# Allegro board BeagleV-FIRE_REV-A_230911.brd (continued)
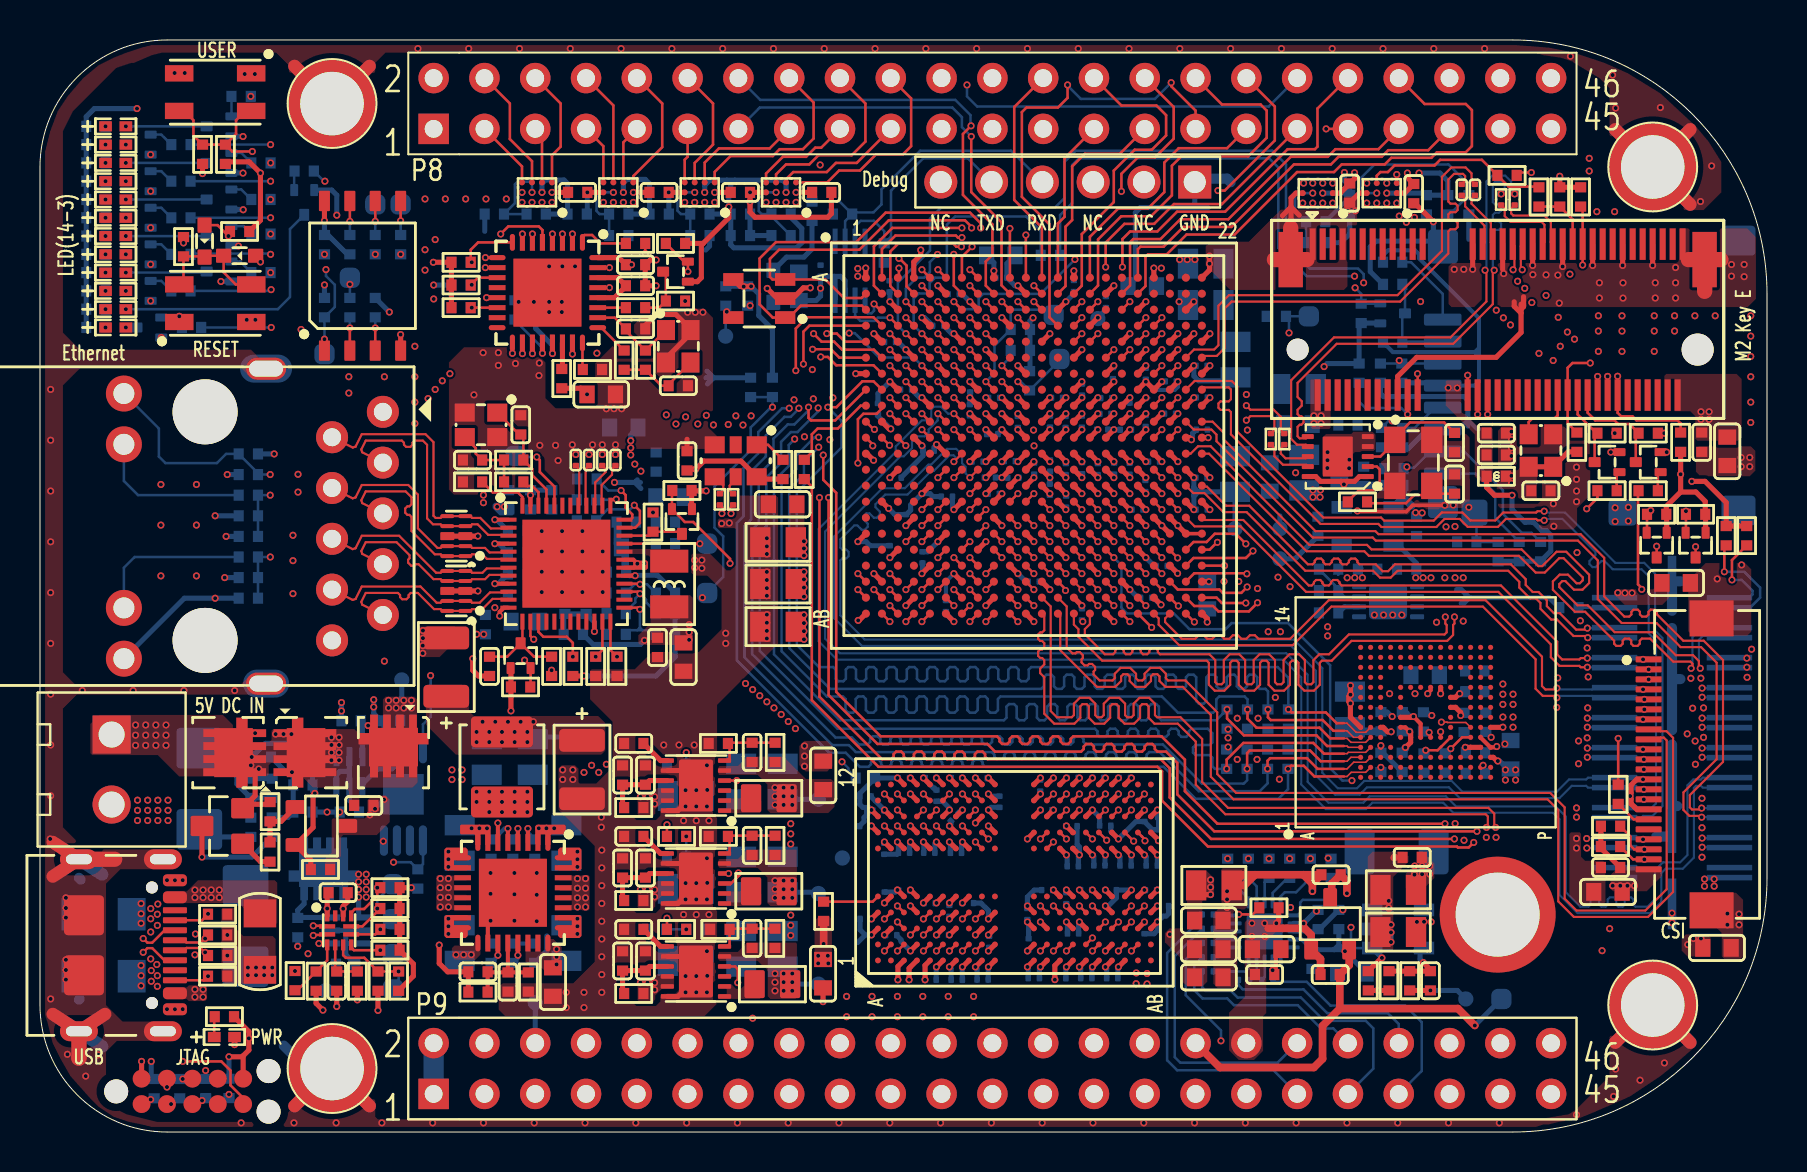
[diagram p0: board, top side]
## Routing (per net, layer and track width the routed paths; a pad name or vN(x,y) marks a point on that pad's centre or on a via; arc(x,y) is an arc through that point) (continued)
USB0_DATA2: length 32.2
  TOP w0.127: U8.5 25.12,45.11 24.94,45.29 23.42,45.29 v1(23.04,44.91) ; U1.G3 v1(42.5,38.32)
  L3_SIG1 w0.102: v1(42.5,38.32) 40.69,38.32 39.42,37.06 38.31,37.06 38.24,36.98 30.32,36.98 28,39.3 27.49,39.3 26.97,39.83 22.33,39.83 21.18,40.97 21.18,43.84 22.25,44.91 v1(23.04,44.91)
USB0_DATA3: length 24.7
  TOP w0.127: U8.6 v1(24.62,44.91) ; U1.F5 v1(44.1,39.12)
  L3_SIG1 w0.102: v1(24.62,44.91) 24.62,43.3 25.13,42.79 26.52,42.79 28.23,41.08 28.73,41.08 31.03,38.79 38.51,38.79 38.91,38.38 39.24,38.38 40.34,39.48 43.45,39.48 43.81,39.12 v1(44.1,39.12)
USB0_DATA4: length 23.1
  TOP w0.127: v1(38.18,38.41) 38.18,40.02 38.47,40.32 U1.D1 ; U8.7 v1(24.12,44.91)
  L3_SIG1 w0.102: v1(24.12,44.91) 24.12,43.14 24.82,42.44 26.37,42.44 28.08,40.73 28.58,40.73 30.88,38.43 37.94,38.43 37.97,38.41 v1(38.18,38.41)
USB0_DATA5: length 25.3
  TOP w0.127: v1(37.8,38.08) 37.8,40.18 38.35,40.74 41.68,40.74 U1.D2 ; U8.9 v1(22.27,43.73)
  L3_SIG1 w0.102: v1(22.27,43.73) 22.9,43.73 24.54,42.08 26.23,42.08 27.93,40.37 28.44,40.37 30.76,38.05 37.8,38.05 v1(37.8,38.08)
USB0_DATA6: length 28.9
  TOP w0.127: U8.10 v1(22.27,43.23) ; U1.F6 v1(44.9,39.12)
  L3_SIG1 w0.102: v1(44.9,39.12) 44.49,38.71 40.57,38.71 39.28,37.41 38.17,37.41 38.09,37.34 30.46,37.34 28.14,39.66 27.64,39.66 27.12,40.18 22.47,40.18 21.97,40.69 21.97,42.93 v1(22.27,43.23)
USB0_DATA7: length 24.1
  TOP w0.127: U1.F3 v1(42.5,39.12) ; U8.13 v1(22.33,41.72)
  L3_SIG1 w0.102: v1(42.5,39.12) 40.48,39.12 39.13,37.77 38.02,37.77 37.94,37.69 30.61,37.69 28.29,40.02 27.79,40.02 27.26,40.54 22.62,40.54 22.33,40.83 v1(22.33,41.72)
USB0_DIR: length 16.7
  TOP w0.127: U1.F1 39.97,38.72 39.55,39.14 v1(38.63,39.14) ; U8.31 v1(28.47,43.23)
  L3_SIG1 w0.102: v1(28.47,43.23) 28.07,42.82 28.07,41.75 28.38,41.44 28.88,41.44 31.18,39.14 v1(38.63,39.14)
USB0_DM: length 48.7
  TOP w0.122: J5.B7 6.23,10.09 5.61,9.47 5.37,9.47 v1(5.16,9.68) ; J5.A7 7.21,9.09 7.33,9.2 8.02,9.2 D4.2 8.4,8.84 v1(8.26,8.99) ; U8.19 v1(24.62,38.93)
  L3_SIG1 w0.097: v1(5.16,9.68) 5.38,9.46 5.96,9.46 7.03,10.53 8.54,10.53 8.99,10.09 8.99,9.47 8.72,9.2 8.47,9.2 v1(8.26,8.99)
  L5_SIG2 w0.097: v1(8.26,8.99) 8.47,9.2 10.72,9.2 15.6,14.08 15.6,15.53 20.21,20.15 20.21,33.35 24.5,37.63 24.5,38.51 24.62,38.63 v1(24.62,38.93)
USB0_DP: length 48.5
  TOP w0.122: J5.B6 6.22,8.59 5.61,9.19 5.37,9.19 v1(5.16,8.99) ; D3.2 8.02,9.48 7.33,9.48 7.21,9.59 J5.A6 ; U8.18 v1(24.12,38.93)
  L3_SIG1 w0.097: v1(8.26,9.67) 8.47,9.45 8.62,9.45 8.74,9.57 8.74,9.98 8.44,10.28 7.14,10.28 6.76,9.9 6.76,9.76 6.99,9.53 6.99,9.4 6.86,9.27 6.71,9.27 6.48,9.49 6.35,9.49 6.06,9.21 5.38,9.21 v1(5.16,8.99)
  L5_SIG2 w0.097: v1(24.12,38.93) 24.12,38.63 24.25,38.51 24.25,37.74 23.89,37.38 23.64,37.38 23.49,37.23 23.49,36.98 23.34,36.83 23.09,36.83 22.94,36.69 22.94,36.43 22.8,36.29 22.54,36.29 22.4,36.14 22.4,35.89 19.96,33.45 19.96,20.25 15.35,15.64 15.35,14.18 10.62,9.45 8.47,9.45 v1(8.26,9.67)
USB0_ID: length 34.5
  TOP w0.127: U8.23 v1(26.63,38.91) ; v1(16.87,12.22) R54.2 16.87,12.07 16.87,11.81 16.21,11.15 15.75,11.15 15.56,10.96 U9.9
  L5_SIG2 w0.102: v1(26.63,38.91) 26.63,38.18 25.76,37.32 24.82,37.32 20.68,33.17 20.68,19.5 16.64,15.47 16.64,13.16 16.87,12.94 v1(16.87,12.22)
USB0_NXT: length 23.2
  TOP w0.127: U1.G5 v1(44.1,38.32) ; U8.2 v1(26.63,44.91)
  L3_SIG1 w0.102: v1(40.46,39.95) 39.78,40.63 31.95,40.63 31.85,40.74 31.85,44.12 31.5,44.48 29.06,44.48 28.63,44.91 v1(26.63,44.91)
  BOTTOM w0.127: v1(44.1,38.32) 43.69,38.73 41.96,38.73 40.74,39.95 v1(40.46,39.95)
USB0_OCN: length 57.5
  TOP w0.127: U1.D4 v1(43.3,40.72)
  L3_SIG1 w0.102: v1(35.64,22.12) 35.47,21.96 26.93,21.96 26.16,22.73 26.16,23.19 25.83,23.52 25.22,23.52 24.92,23.22 21.18,23.22 17.68,19.71 v1(17.68,13.49)
  L5_SIG2 w0.102: v1(35.64,22.12) 35.64,22.86 37.07,24.3 37.07,30.43 36.84,30.66 36.84,32.16 34.06,34.94 34.06,36.72 34.68,37.34 36.01,37.34 38.21,39.54 40.81,39.54 41.61,40.34 42.92,40.34 v1(43.3,40.72)
  BOTTOM w0.127: v1(17.68,13.49) 18.53,13.49 R55.2 19.15,13.4 U10.5
USB0_REFSEL0: length 2.9
  TOP w0.127: U8.8 21.91,44.49 21.54,44.12 R70.1 v1(21.59,43.49)
USB0_REFSEL1: length 1.5
  TOP w0.127: U8.11 21.91,42.73 R68.1
  vias: v1(21.59,42.37)
USB0_REFSEL2: length 1.3
  TOP w0.127: v1(21.59,41.22) U8.14
USB0_RESETB: length 48.7
  TOP w0.127: U1.Y19 56.11,27.11 v1(56.13,27.11) ; R213.2 32.21,43.52 Q28.2 v1(32.4,43.03)
  L5_SIG2 w0.102: v1(29.74,33.4) 29.44,33.4 29.16,33.68 29.16,35.46 29.54,35.84 29.54,37.04 31.85,39.35 31.85,42.48 v1(32.4,43.03)
  L10_SIG3 w0.102: v1(29.74,33.4) 30.3,33.96 36.37,33.96 37.34,32.99 41.73,32.99 42.64,33.91 45.01,33.91 45.39,34.29 49.14,34.29 49.55,34.7 49.87,34.7 50.07,34.49 55.35,34.49 55.68,34.16 55.68,27.8 56.13,27.36 v1(56.13,27.11)
USB0_STP: length 22.8
  TOP w0.127: U8.29 v1(28.47,42.22) ; U1.G4 v1(43.3,38.32)
  L3_SIG1 w0.102: v1(43.3,38.32) 42.9,37.92 42.29,37.92 41.33,36.96 40.91,36.96 39.64,35.7 37.33,35.7 37.03,35.99 37.03,36.4 36.8,36.63 30.17,36.63 v1(27.85,38.95)
  L5_SIG2 w0.102: v1(27.85,38.95) 27.85,41.6 v1(28.47,42.22)
USB0_VBUS: length 1.3
  TOP w0.254: R49.1 26.13,38.19 U8.22
USB0_XI: length 4.6
  TOP w0.127: X2.1 30.28,39.08 R52.1 29.3,40.06 C104.1 28.74,40.72 U8.26
USB0_XO: length 1.8
  TOP w0.127: R51.1 28.07,40.22 U8.25
USB_5V: length 41.9
  TOP w0.127: v1(27.36,36.89) 27.36,36.86
  TOP w0.254: 27.36,36.86 27.03,37.19 R49.2 ; R53.2 v1(15.87,6.61)
  L5_SIG2 w0.254: v1(27.36,36.89) 25,36.89 21.11,32.99 21.11,19.32 17.17,15.38 v1(17.17,14.54) 17.17,13.27 17.48,12.96 17.48,11.01 17.16,10.69 15.21,10.69 v1(13.95,9.43) 13.95,8.53 v1(15.87,6.61)
  BOTTOM w0.254: Q2.1 v1(13.95,9.43)
  vias: v1(7.75,12.1) v1(7.75,11.72) v1(7.75,7.13) v1(7.75,6.75) v1(8.15,12.1) v1(8.15,11.72) v1(8.15,7.13) v1(8.15,6.75) v1(8.56,12.1) v1(8.56,11.72) v1(8.97,12.1) v1(8.97,11.72)
USER_BOTTON: length 51.8
  TOP w0.127: SW2.2 10.27,51.06 9.8,50.6 9.8,49.91 R139.2 ; SW2.4 7.2,51.06 7.67,50.6 7.67,49.83 D9.2 R139.2 ; U1.J2 42.1,36.18 41.83,35.92 41.17,35.92 40.9,35.65 v1(40.9,33.45) ; v1(10.62,49.03) 9.61,49.03 R139.2
  L3_SIG1 w0.102: v1(40.9,33.45) 40.59,33.14 34.84,33.14 33.6,34.38 31.36,34.38 30.43,35.31 24.34,35.31 17.71,41.94 13.82,41.94 13.24,42.51 10.88,42.51 10.62,42.77 v1(10.62,49.03)
VIO_1V8: length 9.8
  TOP w0.254: R251.1 v1(69.53,7.08)
  L3_SIG1 w0.254: v1(69.53,7.08) 69.81,7.36 69.81,8.69 68.12,10.38 68.12,12.26 v1(68.73,12.87)
  BOTTOM w0.254: TP18.1 70.87,7.08 v1(69.53,7.08)
  vias: v1(68.74,13.3) v1(69.11,13.3) v1(69.11,12.9) v1(69.49,13.3) v1(69.49,12.9) v1(82.4,9.37) v1(82.68,9.68) v1(83.06,9.68) v1(83.24,12.65) v1(83.24,12.29) v1(83.72,12.65) v1(83.72,12.29)
VREF_XCVR: length 11.4
  TOP w0.254: v1(56.1,37.52) U1.H19 55.3,37.52 v1(55.3,37.52) U1.H18
  L3_SIG1 w0.102: v1(56.1,37.52) 56.46,37.16 59.66,37.16 v1(62.46,39.96)
  BOTTOM w0.127: v1(62.46,39.96) 62.46,40.64 R152.1 TP14.1
W_DISABLE1N: length 5.4
  TOP w0.127: Q7.3 79.8,34.81 R97.2 79.48,35.41 78.91,35.41 78.73,35.59 77.77,35.59 77.39,35.97 J9.56
W_DISABLE2N: length 3.8
  TOP w0.127: Q6.3 77.74,34.81 R96.2 77.83,34.95 76.89,35.89 J9.54
WARM_RST: length 58.4
  TOP w0.127: v1(9.42,44.81) 8.88,45.35 D15.1 ; U1.W12 v1(50.5,27.92)
  L3_SIG1 w0.102: v1(49.68,35.1) 49.28,35.5 44.72,35.5 44.5,35.28 44.5,34.82 44.4,34.72 43.9,34.72 43.65,34.47 43.65,34.18 43.42,33.95 41.54,33.95 41.3,33.71 41.3,33.17 40.91,32.78 34.69,32.78 33.45,34.02 31.21,34.02 30.29,34.95 24.19,34.95 17.56,41.58 10.95,41.58 9.42,43.1 v1(9.42,44.81)
  L5_SIG2 w0.102: v1(50.5,27.92) 50.11,28.31 50.11,33.73 49.89,33.96 49.38,33.96 49.28,34.06 49.28,34.7 v1(49.68,35.1)
XCVR_0A_REFCLK_N: length 2.5
  TOP w0.107: U38.9 63.31,33.37 62.15,33.37 61.73,33.8 61.73,34.2 R105.1
XCVR_0A_REFCLK_P: length 2
  TOP w0.107: R106.1 62.05,34.2 62.05,33.93 62.29,33.69 63.31,33.69 U38.8
XCVR_0B_REFCLK_N: length 36.7
  TOP w0.127: U1.N20 v1(56.9,32.72)
  L5_SIG2 w0.086: v1(56.9,32.72) 56.9,32.36 56.99,32.28 57.16,32.28 57.29,32.41 57.29,32.98 57.49,33.17 58.89,33.17 63.48,28.58 74.18,28.58 75.16,27.6 81.03,27.6 81.77,26.86 81.77,22.18 82.13,21.81 82.74,21.81 82.81,21.74 v1(83.12,21.74)
  BOTTOM w0.107: v1(83.12,21.74) 84.46,21.74 J8.15
XCVR_0B_REFCLK_P: length 36.7
  TOP w0.127: U1.N19 v1(56.1,32.72)
  L5_SIG2 w0.086: v1(56.1,32.72) 56.55,33.18 57.04,33.18 57.36,33.49 59.02,33.49 63.61,28.9 74.31,28.9 75.29,27.91 81.16,27.91 82.08,26.99 82.08,22.31 82.27,22.13 82.74,22.13 82.81,22.2 v1(83.12,22.2)
  BOTTOM w0.107: v1(83.12,22.2) 84.46,22.2 J8.13
XCVR_0C_REFCLK_N: length 47.2
  TOP w0.127: U1.J20 v1(56.9,36.72)
  L5_SIG2 w0.086: v1(83.12,14.24) 83.42,14.24 83.49,14.31 83.89,14.31 84.16,14.58 84.16,26.52 82.06,28.63 78.32,28.63 77.04,29.91 64.07,29.91 59.51,34.47 59.51,35.61 59,36.12 57.64,36.12 57.17,36.59 57.04,36.59 v1(56.9,36.72)
  BOTTOM w0.107: J8.35 84.46,14.24 v1(83.12,14.24)
XCVR_0C_REFCLK_P: length 47.1
  TOP w0.127: U1.J19 v1(56.1,36.72)
  L5_SIG2 w0.086: v1(56.1,36.72) 56.55,36.27 57.04,36.27 57.51,35.8 58.87,35.8 59.2,35.48 59.2,34.34 63.94,29.59 76.91,29.59 78.19,28.31 81.93,28.31 83.85,26.39 83.85,14.71 83.76,14.63 83.49,14.63 83.42,14.7 v1(83.12,14.7)
  BOTTOM w0.107: J8.33 84.46,14.7 v1(83.12,14.7)
XCVR_RX1_N: length 43.4
  TOP w0.107: U1.K21 57.69,35.13 58.58,35.13 58.83,34.87 58.83,34.54 63.65,29.73 66.64,29.73 66.8,29.58 76.91,29.58 77.9,28.58 77.9,26.65 79.1,25.45 80.84,25.45 82.04,24.25 83.06,24.25 83.84,23.47 83.84,18.64 82.18,16.98 82.18,16.1 82.48,15.81 83.02,15.81 v1(83.09,15.74)
  BOTTOM w0.107: v1(83.09,15.74) 84.46,15.74 J8.31
XCVR_RX1_P: length 43.3
  TOP w0.107: v1(83.09,16.2) 83.02,16.13 82.61,16.13 82.5,16.24 82.5,16.85 84.16,18.51 84.16,23.6 83.2,24.57 82.17,24.57 80.86,25.88 80.86,26.01 80.75,26.12 80.54,26.12 80.43,26.01 80.43,25.88 80.33,25.77 80.11,25.77 80.01,25.88 80.01,26.01 79.9,26.12 79.69,26.12 79.58,26.01 79.58,25.88 79.47,25.77 79.23,25.77 78.22,26.78 78.22,28.71 77.04,29.9 66.93,29.9 66.78,30.05 63.78,30.05 59.19,34.64 59.19,34.97 58.63,35.52 U1.K22
  BOTTOM w0.107: v1(83.09,16.2) 84.46,16.2 J8.29
XCVR_RX2_N: length 38
  TOP w0.107: v1(83.02,23.19) 82.95,23.26 82.95,23.55 82.66,23.85 81.8,23.85 80.65,25 78.74,25 77.4,26.34 76.89,26.34 75.97,27.25 75.97,27.4 76.12,27.55 76.27,27.55 76.71,27.12 77.13,27.12 77.47,27.45 77.47,27.87 76.32,29.02 75.84,29.02 75.12,28.3 74.92,28.3 74.09,29.13 66.58,29.13 66.36,29.36 63.47,29.36 58.54,34.29 57.91,34.29 57.54,33.92 U1.M21
  BOTTOM w0.107: v1(83.02,23.19) 82.95,23.26 82.95,24.61 83.15,24.81 84.39,24.81 J8.7
XCVR_RX2_P: length 38
  TOP w0.107: U1.M22 58.46,33.92 63.34,29.04 66.22,29.04 66.45,28.81 73.96,28.81 74.79,27.98 75.25,27.98 75.97,28.7 76.19,28.7 77.15,27.74 77.15,27.59 77,27.44 76.84,27.44 76.41,27.87 75.99,27.87 75.65,27.53 75.65,27.12 76.75,26.02 77.27,26.02 78.61,24.68 78.61,24.68 78.72,24.57 78.72,24.42 78.82,24.31 79.04,24.31 79.14,24.42 79.14,24.57 79.25,24.68 79.46,24.68 79.57,24.57 79.57,24.42 79.68,24.31 79.89,24.31 80,24.42 80,24.57 80.1,24.68 80.51,24.68 81.67,23.53 82.53,23.53 82.63,23.42 82.63,23.26 v1(82.56,23.19)
  BOTTOM w0.107: J8.5 84.39,25.13 83.02,25.13 82.63,24.74 82.63,23.26 v1(82.56,23.19)
XCVR_RX3_N: length 35
  TOP w0.127: U1.R19 v1(56.1,31.12)
  L3_SIG1 w0.086: v1(56.1,31.12) 56.37,31.12 56.82,30.67 57.15,30.67 57.53,30.29 60.8,30.29 62.5,28.6 74.14,28.6 74.48,28.26 81.75,28.26 84.56,25.45 84.56,23.62 84.87,23.31 85.28,23.31 v1(85.35,23.24)
  BOTTOM w0.107: v1(85.35,23.24) 85.33,23.22 J8.11
XCVR_RX3_P: length 35.1
  TOP w0.127: U1.R20 v1(56.9,31.12)
  L3_SIG1 w0.086: v1(85.35,23.7) 85.28,23.63 85,23.63 84.87,23.75 84.87,24.14 84.96,24.23 85.14,24.23 85.23,24.32 85.23,24.49 85.14,24.58 84.96,24.58 84.87,24.66 84.87,24.83 84.96,24.92 85.14,24.92 85.23,25.01 85.23,25.18 85.14,25.27 84.96,25.27 84.87,25.35 84.87,25.58 81.88,28.57 74.61,28.57 74.27,28.92 62.63,28.92 60.93,30.61 57.66,30.61 57.14,31.12 v1(56.9,31.12)
  BOTTOM w0.107: J8.9 85.33,23.72 v1(85.35,23.7)
XCVR_TX1_N: length 44.1
  TOP w0.107: v1(75.22,31.05) 74.89,31.05 74.82,30.98 73.17,30.98 72.77,30.58 71.53,30.58 71.13,30.98 70.1,30.98 69.7,30.58 67.21,30.58 67.06,30.73 64.17,30.73 59.87,35.02 59.87,37.28 59.6,37.56 57.73,37.56 U1.H21
  BOTTOM w0.107: J8.32 80.07,15.72 80.16,15.81 80.64,15.81 81.13,16.3 81.13,24.71 80.76,25.08 80.76,27.92 80.22,28.46 78.78,28.46 76.26,30.98 75.29,30.98 v1(75.22,31.05)
XCVR_TX1_P: length 44.1
  TOP w0.107: U1.H22 58.21,37.24 59.45,37.24 59.55,37.13 59.55,36.64 59.45,36.54 59.03,36.54 58.93,36.43 58.93,36.22 59.03,36.11 59.45,36.11 59.55,36 59.55,34.89 64.03,30.41 66.93,30.41 67.08,30.26 69.83,30.26 70.23,30.66 71,30.66 71.39,30.26 72.9,30.26 73.3,30.66 74.82,30.66 74.89,30.59 v1(75.22,30.59)
  BOTTOM w0.107: J8.30 80.07,16.22 80.16,16.13 80.51,16.13 80.81,16.43 80.81,24.57 80.44,24.94 80.44,27.79 80.09,28.14 78.64,28.14 78.23,28.55 78.08,28.55 77.78,28.25 77.63,28.25 77.48,28.4 77.48,28.55 77.78,28.85 77.78,29 76.13,30.66 75.29,30.66 v1(75.22,30.59)
XCVR_TX2_N: length 25.2
  TOP w0.107: v1(77.4,24.72) 77.31,24.8 76.68,24.8 75.86,25.63 75.57,25.63 75.03,26.17 75.03,26.46 74.8,26.68 74.51,26.68 73.97,27.22 73.97,27.51 73.42,28.07 67.89,28.07 67.54,27.72 67.01,27.72 66.66,28.07 63.27,28.07 60.34,31 59.18,31 58.22,31.95 57.67,31.95 U1.P21
  BOTTOM w0.107: J8.8 v1(77.4,24.72)
XCVR_TX2_P: length 25.3
  TOP w0.107: U1.P22 58.15,32.27 58.35,32.27 59.31,31.32 60.47,31.32 63.4,28.39 63.64,28.39 63.74,28.49 63.74,28.57 63.85,28.68 64.06,28.68 64.17,28.57 64.17,28.49 64.28,28.39 64.49,28.39 64.6,28.49 64.6,28.57 64.7,28.68 64.92,28.68 65.02,28.57 65.02,28.49 65.13,28.39 65.34,28.39 65.45,28.49 65.45,28.57 65.56,28.68 65.77,28.68 65.88,28.57 65.88,28.49 65.98,28.39 66.8,28.39 67.14,28.04 67.41,28.04 67.75,28.39 73.55,28.39 74.29,27.65 74.29,27.36 74.64,27 74.94,27 75.35,26.59 75.35,26.3 75.7,25.95 75.99,25.95 76.82,25.12 77.3,25.12 v1(77.38,25.2)
  BOTTOM w0.107: v1(77.38,25.2) 78.72,25.2 J8.6
XCVR_TX3_N: length 24.9
  TOP w0.107: v1(77.38,23.24) 77.04,23.24 76.98,23.31 75.98,23.31 75.55,23.74 75.55,24.39 72.93,27.01 63.31,27.01 60.04,30.29 57.74,30.29 U1.T21
  BOTTOM w0.107: v1(77.38,23.24) 78.72,23.24 J8.12
XCVR_TX3_P: length 24.6
  TOP w0.107: U1.T22 58.22,30.61 60.17,30.61 63.44,27.33 63.6,27.33 63.7,27.44 63.7,27.5 63.81,27.6 64.02,27.6 64.13,27.5 64.13,27.44 64.24,27.33 64.45,27.33 64.56,27.44 64.56,27.5 64.66,27.6 64.88,27.6 64.98,27.5 64.98,27.44 65.09,27.33 73.06,27.33 75.87,24.52 75.87,23.88 76.12,23.63 76.98,23.63 77.04,23.7 v1(77.38,23.7)
  BOTTOM w0.107: J8.10 78.72,23.7 v1(77.38,23.7)
N8261413: length 2.8
  TOP w0.127: R3.1 41.64,11.52 U2.A5
N8309567: length 0.2
  BOTTOM w0.127: C74.1 v1(67.05,18.23)
N8350787: length 75.2
  TOP w0.127: U1.E8 v1(46.5,39.92)
  L3_SIG1 w0.102: v1(8.28,3.08) 8.28,3.58 10.52,5.82 13.34,5.82 14.53,7 16.96,7 17.2,6.77 18.55,6.77 19.46,7.67 19.46,18.97 21.92,21.44 24.67,21.44 24.8,21.31 25.07,21.31 26.2,20.18 37.07,20.18 v1(37.42,20.53)
  L5_SIG2 w0.102: v1(37.42,20.53) 37.42,22.13 39.31,24.02 39.31,30.71 38.62,31.4 38.62,32.96 36.21,35.37 36.21,36.44 37.44,37.67 38.77,37.67 40.28,39.18 40.95,39.18 41.3,39.52 46.1,39.52 v1(46.5,39.92)
  BOTTOM w0.127: R18.2 v1(8.28,3.08)
N8350881: length 33.3
  TOP w0.127: U1.F7 v1(45.7,39.12)
  L3_SIG1 w0.102: v1(45.7,39.12) 45.7,39.38 45.32,39.76 45.32,40.01 45.02,40.31 44.76,40.31 44.5,40.56 44.5,40.83 44.25,41.08 43.99,41.08 43.68,41.38 43.68,41.68 43.43,41.94 41.25,41.94 41.04,41.73 38.4,41.73 34.03,46.1 19.43,46.1 18.04,44.71 v1(18.04,43.89)
N8350883: length 33.3
  TOP w0.127: U1.E6 v1(44.9,39.92)
  L3_SIG1 w0.102: v1(16.77,43.89) 16.77,43.56 16.87,43.46 18.29,43.46 18.39,43.56 18.39,44.56 19.58,45.75 33.88,45.75 38.25,41.37 40.92,41.37 41.26,41.03 41.86,41.03 41.94,41.1 43.46,41.1 43.74,40.82 43.74,40.52 43.96,40.3 44.26,40.3 44.64,39.92 v1(44.9,39.92)
N8350930: length 1.7
  TOP w0.127: U4.2 15.49,40.21 v1(15.5,40.21)
  BOTTOM w0.127: R21.1 v1(15.5,40.21)
N8351005: length 1.5
  TOP w0.127: U1.G10 v1(48.1,38.32)
  BOTTOM w0.127: v1(48.1,38.32) 48.54,38.76 R22.2
N8351715: length 1.7
  TOP w0.127: U4.3 16.76,40.21 v1(16.77,40.21)
  BOTTOM w0.127: R25.2 v1(16.77,40.21)
N8351719: length 1.7
  TOP w0.127: v1(15.5,45.54) 15.5,46.56 U4.7
  BOTTOM w0.127: R26.2 v1(15.5,45.54)
N8364939: length 3.7
  TOP w0.127: R182.2 R34.2 C96.1 21.79,33.92 21.79,34.2 X1.3
N8366836: length 1.1
  TOP w0.107: R38.2 34.17,32.09 34.17,32.34 U7.4
N8366838: length 1
  TOP w0.107: R37.2 34.49,32.09 34.49,32.33 34.79,32.63 U7.5
N8367372: length 1.6
  TOP w0.127: U7.1 36.4,34.37 R39.2
N8382887: length 2.7
  TOP w0.127: U8.1 27.13,44.75 27.23,44.86 27.61,44.86 28.03,44.44 R48.2
N8383143: length 1.3
  TOP w0.127: U8.24 27.13,38.15 R64.1
N8383947: length 4.2
  TOP w0.127: X2.3 31.43,37.38 C105.1 31.07,37.32 R52.2 R51.2
N8393015: length 2.4
  TOP w0.127: R53.1 C106.1 14.76,8.11 U9.4
N8393358: length 2.8
  TOP w0.127: U8.20 v1(25.12,38.94)
  BOTTOM w0.127: v1(25.12,38.94) 25.12,39.21 23.75,40.59 C111.1
N8393972: length 3.4
  TOP w0.127: R62.2 16.13,10.28 U9.8
  BOTTOM w0.127: TP13.1 16.87,11.61 v1(16.87,11.18)
N8393976: length 2.4
  TOP w0.127: U9.7 16.77,9.88 v1(17.02,10.13)
  BOTTOM w0.127: TP12.1 17.14,10.13 v1(17.02,10.13)
N8393980: length 2.4
  TOP w0.127: U9.6 15.56,9.23 15.7,9.09 v1(17.02,9.09)
  BOTTOM w0.127: TP11.1 17.45,9.09 v1(17.02,9.09)
N8393984: length 4.6
  TOP w0.127: v1(17.93,8.03) R61.1 16.22,8.71 15.29,8.71 15.16,8.84 U9.5
  BOTTOM w0.127: v1(17.93,8.03) 17.93,7.42 TP10.1
N8398034: length 3
  TOP w0.127: R56.2 12.86,7.09 R60.1 14.36,8.58 U9.3
N8404325: length 3.2
  TOP w0.254: U8.30 28.89,42.73 C110.1 29.3,42.29 28.73,41.72 U8.28
N8479704: length 1.7
  BOTTOM w0.127: R72.2 60.44,11.66 U11.11
N8479744: length 1.4
  BOTTOM w0.127: U11.12 60.84,12.29 R73.2
N8479810: length 1.3
  BOTTOM w0.127: U11.13 61.24,12.49 R74.2
N8479866: length 1.6
  BOTTOM w0.127: U11.14 61.64,11.96 62.39,12.71 R75.2
N8479940: length 2.2
  BOTTOM w0.127: R76.2 62.81,11.99 62.25,11.99 62.04,11.78 U11.15
N8479976: length 3.5
  BOTTOM w0.127: U11.16 62.88,10.83 63.02,10.97 63.02,11.48 63.14,11.61 64.36,11.61 64.56,11.8 R77.2
N8483531: length 3.2
  TOP w0.127: J9.53 76.64,45.63 R79.2 R262.1
N8483791: length 10.4
  TOP w0.127: J9.60 v1(78.39,37.79) ; v1(82.31,31.05) R103.2 82.31,29.98 Q20.2
  L10_SIG3 w0.102: v1(78.39,37.79) 78.39,36.37 81.51,33.25 81.51,31.85 v1(82.31,31.05)
N8483949: length 3.8
  TOP w0.107: J9.49 75.55,44.49 75.55,45.5 75.22,45.83 73.67,45.83 73.56,45.94 73.56,46.18 R173.1
N8483961: length 3.8
  TOP w0.107: J9.47 75.23,44.49 75.23,45.37 75.09,45.51 73.54,45.51 73.24,45.81 73.24,46.18 R174.1
N8484033: length 2.9
  TOP w0.107: J9.37 72.55,44.49 72.55,45.46 71.58,46.42 71.58,46.67 C132.1
N8484079: length 2.9
  TOP w0.107: C133.1 71.26,46.67 71.26,46.29 72.23,45.32 72.23,44.49 J9.35
N8485397: length 8.1
  TOP w0.107: R105.2 61.73,35.11 61.73,35.63 61.56,35.8 60.53,35.8 v1(60.33,35.6)
  TOP w0.127: U1.L20 v1(56.9,35.12)
  L3_SIG1 w0.086: v1(60.33,35.6) 60.12,35.8 59.67,35.8 59.58,35.72 59.58,35.64 59.5,35.55 59.32,35.55 59.24,35.64 59.24,35.72 59.15,35.8 58.98,35.8 58.89,35.72 58.89,35.64 58.81,35.55 58.63,35.55 58.55,35.64 58.55,35.72 58.46,35.8 58.29,35.8 58.2,35.72 58.2,35.64 58.11,35.55 57.94,35.55 57.86,35.64 57.86,35.72 57.77,35.8 57.27,35.8 57.04,35.57 56.74,35.57 56.66,35.49 56.66,35.37 v1(56.9,35.12)
N8485437: length 8.6
  TOP w0.107: v1(60.33,36.33) 60.53,36.12 61.69,36.12 62.05,35.77 62.05,35.11 R106.2
  TOP w0.127: U1.L19 v1(56.1,35.12)
  L3_SIG1 w0.086: v1(60.33,36.33) 60.12,36.12 57.2,36.12 57.04,36.27 56.76,36.27 56.55,36.07 56.55,35.83 56.34,35.62 56.34,35.37 v1(56.1,35.12)
N8546386:
  vias: v1(3.28,47.55)
N8546388:
  vias: v1(3.28,41.15)
N8546390:
  vias: v1(3.28,49.38)
N8546392:
  vias: v1(3.28,43.89)
N8546394:
  vias: v1(3.28,42.98)
N8546396:
  vias: v1(3.28,45.72)
N8546398:
  vias: v1(3.28,40.23)
N8546400:
  vias: v1(3.28,50.29)
N8546402:
  vias: v1(3.28,48.46)
N8546404:
  vias: v1(3.28,42.06)
N8546406:
  vias: v1(3.28,44.81)
N8546408:
  vias: v1(3.28,46.63)
N8546538:
  vias: v1(4.29,42.06)
N8546540: length 4
  BOTTOM w0.127: v1(4.29,50.29) Q3.3
N8546542: length 4
  BOTTOM w0.127: v1(4.29,46.63) Q9.3
N8546544:
  vias: v1(4.29,45.72)
N8546546: length 4
  BOTTOM w0.127: v1(4.29,48.46) Q5.3
N8546548: length 4.1
  BOTTOM w0.127: v1(4.29,42.98) 8.27,42.98 Q13.3
N8546550:
  vias: v1(4.29,47.55)
N8546552:
  vias: v1(4.29,49.38)
N8546628: length 4
  BOTTOM w0.127: v1(4.29,44.81) Q11.3
N8546634:
  vias: v1(4.29,43.89)
N8546642: length 0.5
  BOTTOM w0.127: Q16.3 v1(4.29,40.23)
N8546646: length 12.9
  BOTTOM w0.127: v1(4.29,41.15) 11.89,41.15 12.5,41.76 12.5,45.15 Q15.3
N8547432: length 1.2
  BOTTOM w0.127: Q4.1 6.07,49.88 R128.2
N8547443: length 1.2
  BOTTOM w0.127: Q5.1 10.07,48.96 R129.2
N8547450: length 1.2
  BOTTOM w0.127: R130.2 6.07,48.05 Q8.1
N8547457: length 1.2
  BOTTOM w0.127: Q9.1 10.07,47.13 R131.2
N8547464: length 1.2
  BOTTOM w0.127: R132.2 6.07,46.22 Q10.1
N8547471: length 1.2
  BOTTOM w0.127: Q11.1 10.17,45.31 R133.2
N8547478: length 1.2
  BOTTOM w0.127: R134.2 6.07,44.39 Q12.1
N8547485: length 1.2
  BOTTOM w0.127: Q13.1 10.01,43.54 R135.2
N8547496: length 1.2
  BOTTOM w0.127: R136.2 6.07,42.56 Q14.1
N8547505: length 1
  BOTTOM w0.127: R137.2 12.71,48.04 Q15.1
N8547512: length 1.2
  BOTTOM w0.127: R127.2 7.04,40.23 6.54,40.73 Q16.1
N8547620: length 1
  BOTTOM w0.127: R126.2 9.58,50.8 Q3.1
N8635511:
  vias: v1(20.02,12.67) v1(20.02,12.22) v1(20.02,11.73) v1(20.02,11.25) v1(20.42,12.67) v1(20.42,12.22) v1(20.42,11.73) v1(20.42,11.25) v1(21.83,17.01) v1(21.83,16.51) v1(22.47,17.01) v1(22.47,16.51) v1(22.47,16) v1(23.1,17.01) v1(23.1,16.51) v1(23.1,16) v1(23.74,17.01) v1(23.74,16.51) v1(23.74,16) v1(24.37,17.01) v1(24.37,16.51) v1(24.37,16) v1(26.87,12.67) v1(26.87,12.19) v1(26.87,11.71) v1(26.87,11.25) v1(27.28,12.67) v1(27.28,12.19) v1(27.28,11.71) v1(27.28,11.25)
N8655619: length 1.1
  TOP w0.203: U13.21 v1(23.9,8.84)
  BOTTOM w0.203: C210.1 23.9,8.71 v1(23.9,8.84)
N8655986: length 4.5
  TOP w0.203: U13.20 23.4,7.99 C208.1 ; R119.2 C209.2 22.41,7.98 C208.1 ; C208.1 R118.1
N8656945: length 1.1
  BOTTOM w0.203: C210.2 R117.1
N8657269: length 1.1
  TOP w0.203: v1(22.9,8.84) U13.19
  BOTTOM w0.203: v1(22.9,8.84) 22.9,8.8 C207.1
N8661156: length 1.8
  TOP w0.203: 23.4,14.48 v1(23.4,15.18)
  BOTTOM w0.203: C211.1 22.68,14.63 23.23,15.18 v1(23.4,15.18)
N8661333: length 1.4
  TOP w0.203: 24.4,14.48 v1(24.4,15.18)
  BOTTOM w0.203: C212.1 24.4,14.97 v1(24.4,15.18)
N8661743: length 1.4
  TOP w0.203: 23.9,14.48 v1(23.9,15.18)
  BOTTOM w0.203: C213.1 23.9,14.89 v1(23.9,15.18)
N8663962: length 3.3
  TOP w0.127: R121.2 C214.2 34.52,10.17 R138.1 34.48,9.39 34.37,9.28 U20.6
N8666324: length 3.5
  TOP w0.254: R143.2 29.13,7.01 C215.1 C216.1 30.48,8.28 U20.9
N8667397: length 7
  TOP w0.127: v1(34.89,7.47) 34.89,8.15 34.76,8.28 U20.4
  L10_SIG3 w0.102: v1(34.89,7.47) 34.89,8.03 34.64,8.28 33.07,8.28 32.32,9.03 v1(32.32,10.13)